# Altium PCB PCB1.PcbDoc
Units mil, origin at the board's own origin, x right, y up, seen from the top; angles counter-clockwise.
Board outline 3527.56 x 3832.47 mil, 2 copper layers (Top Layer, Bottom Layer), stack 66.929 mil thick; 107 components, 48 nets, 407 pads, 226 vias.
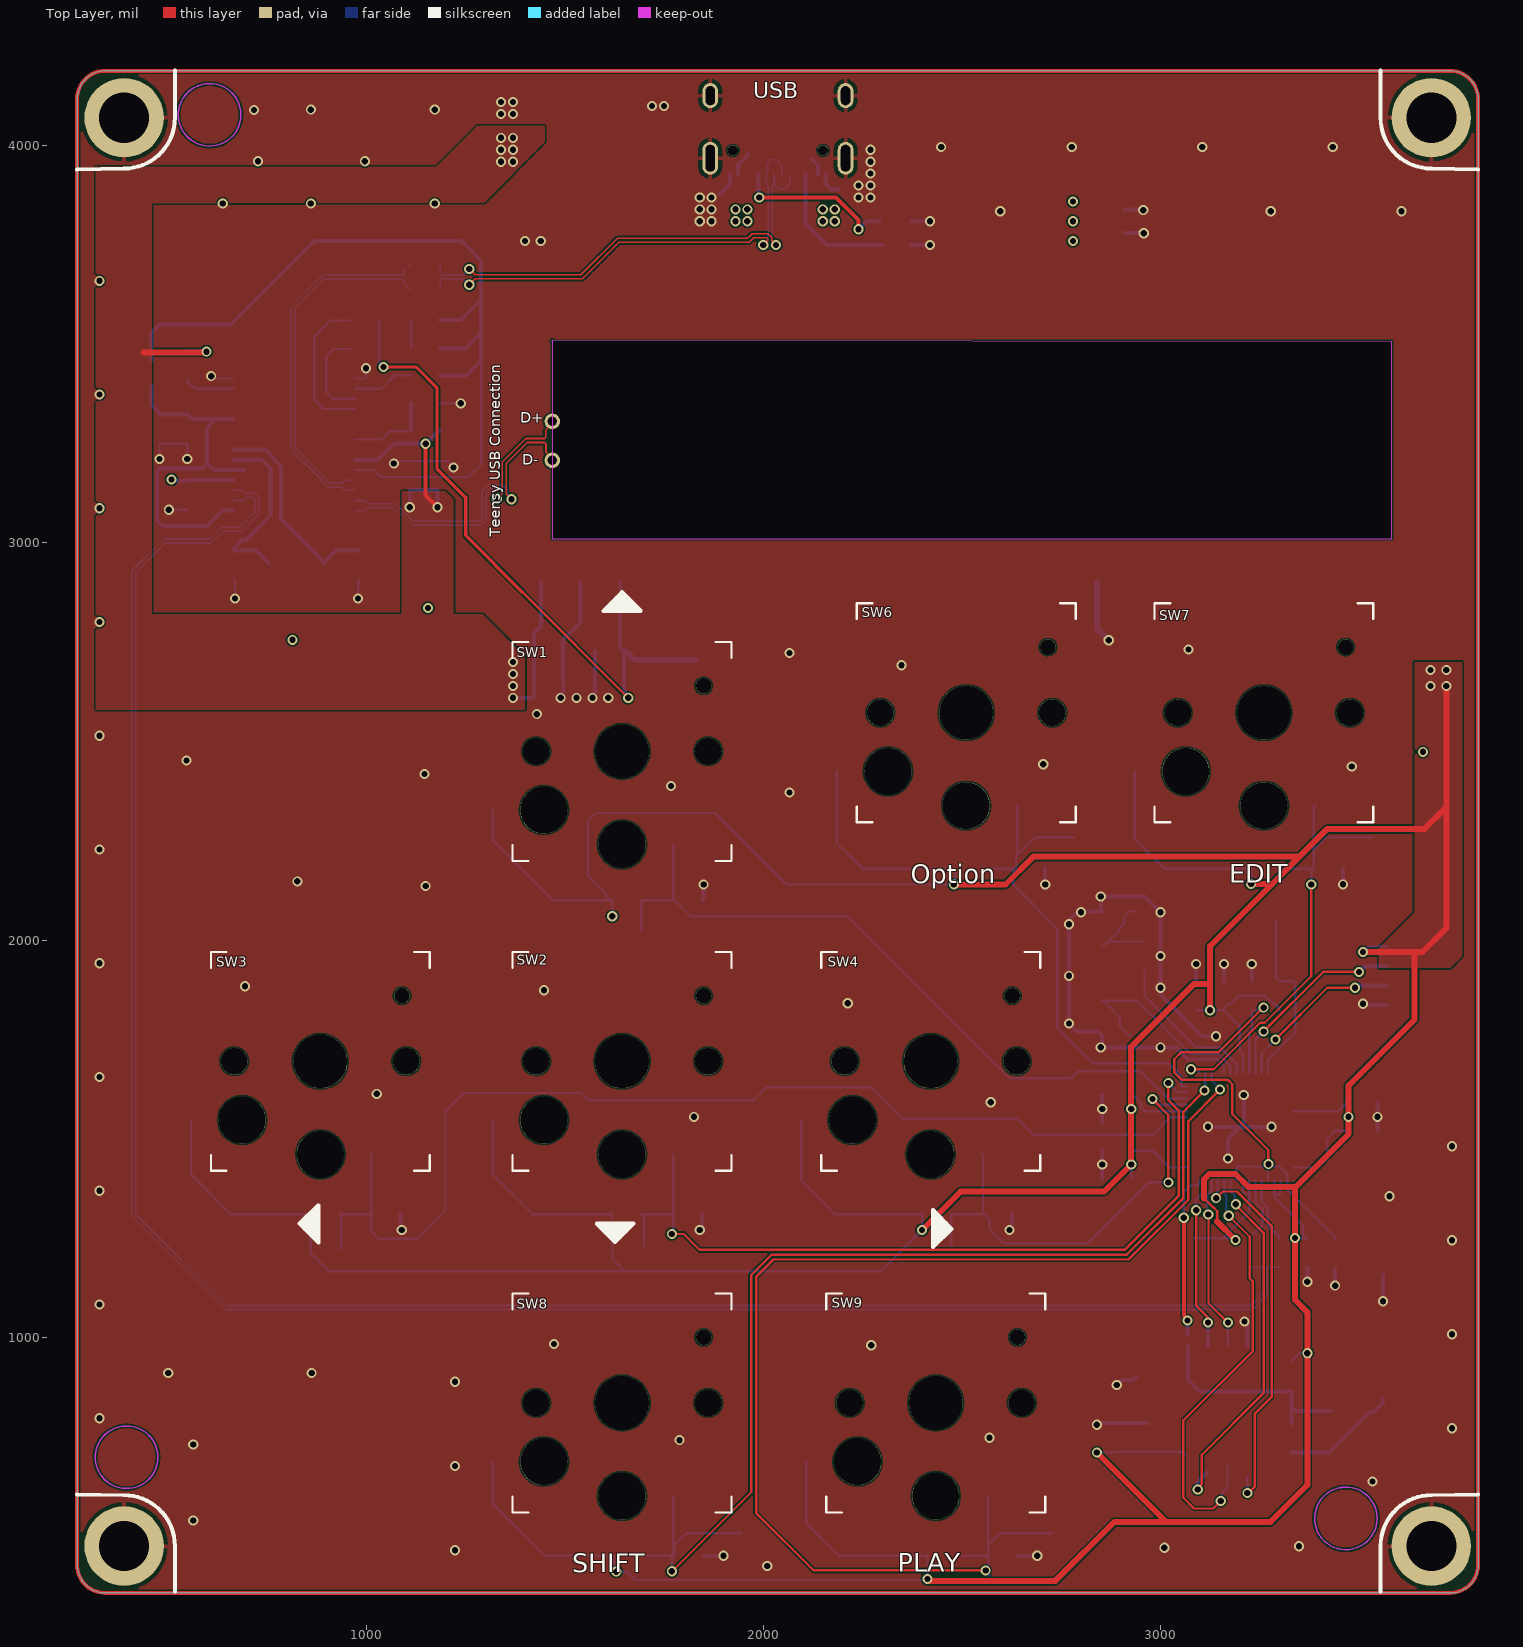
[diagram p0: Top Layer view]
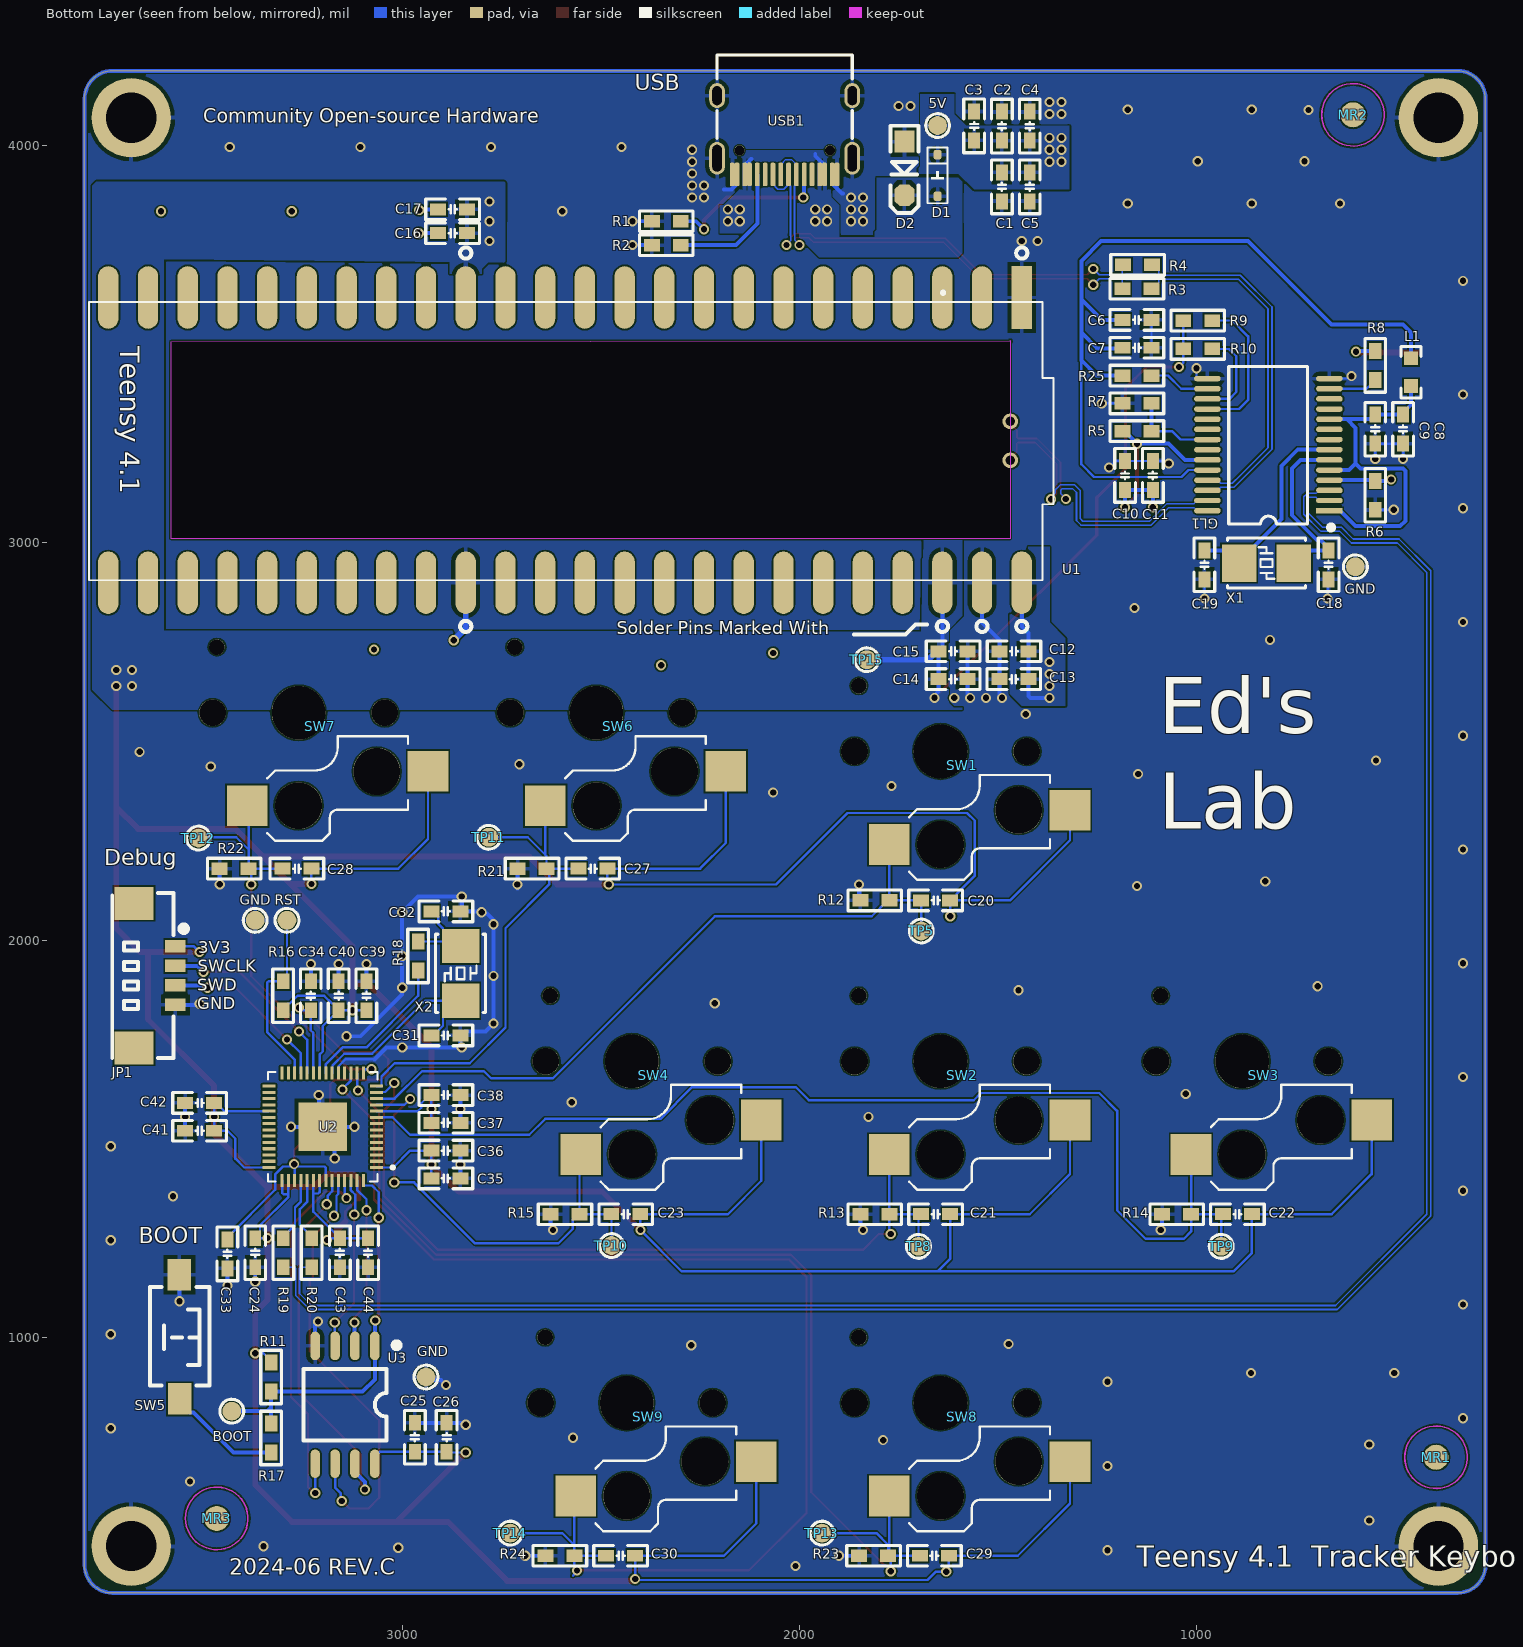
[diagram p1: Bottom Layer view, seen from below]
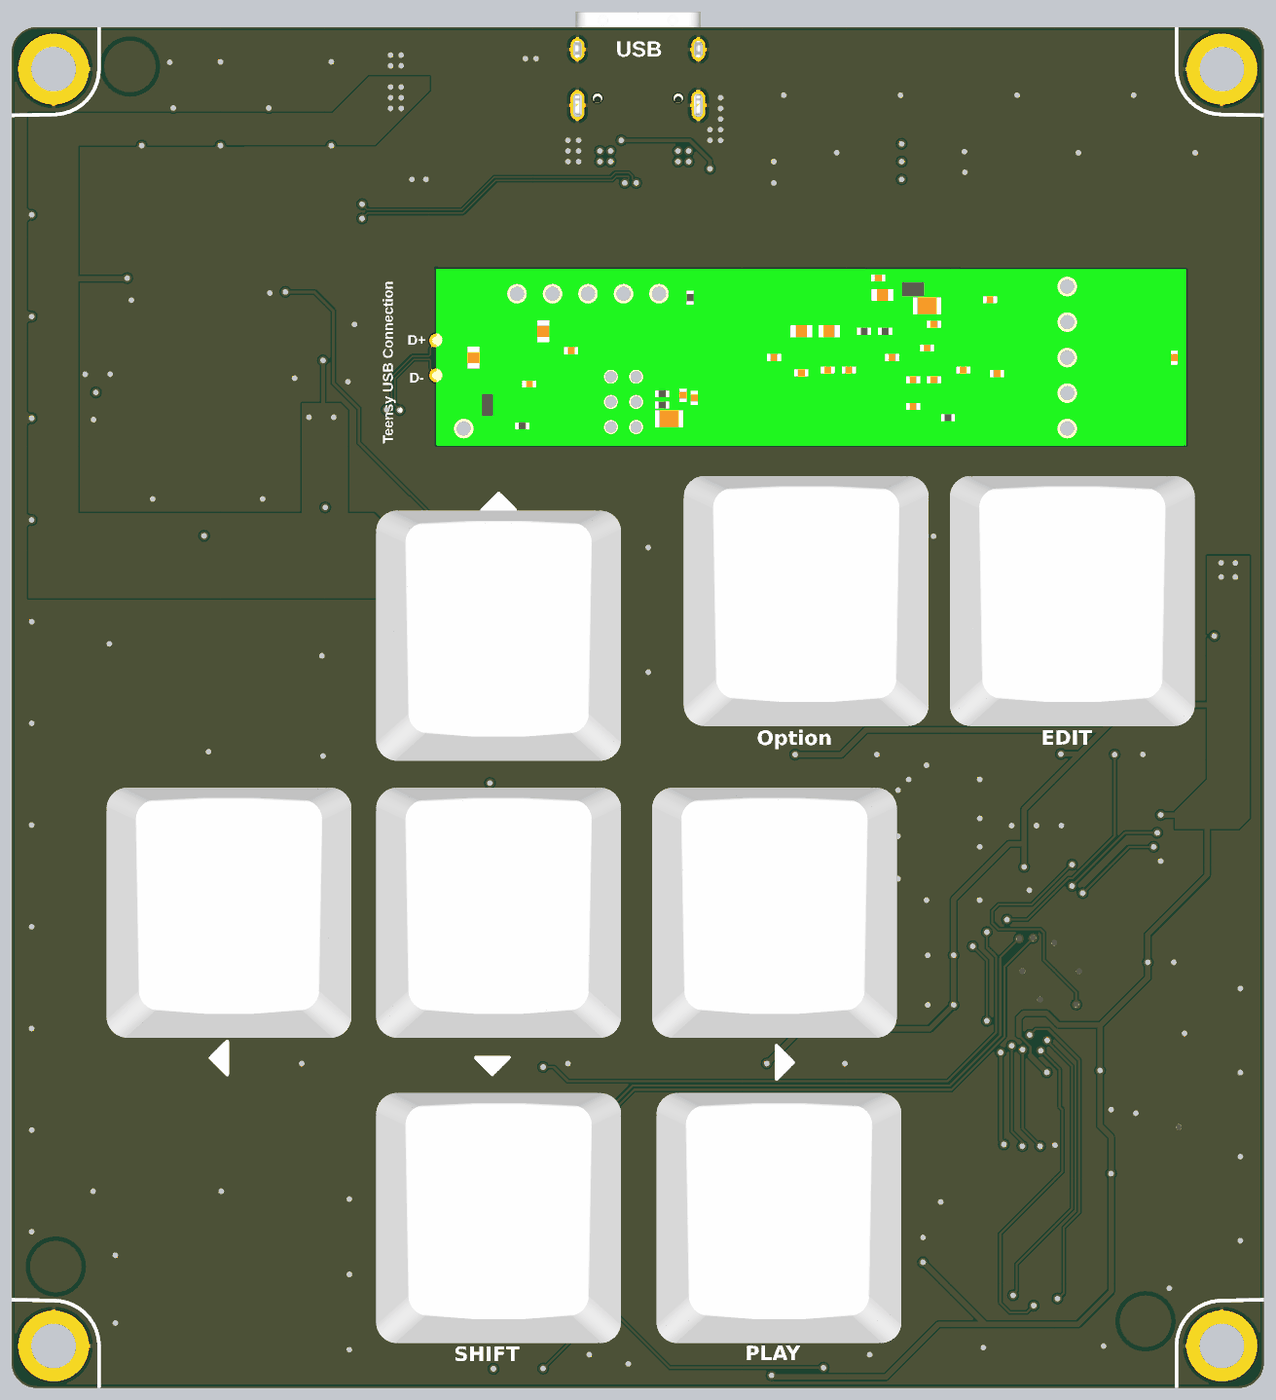
[diagram p2: 3D render of the assembled board from above, using the file's embedded part models]
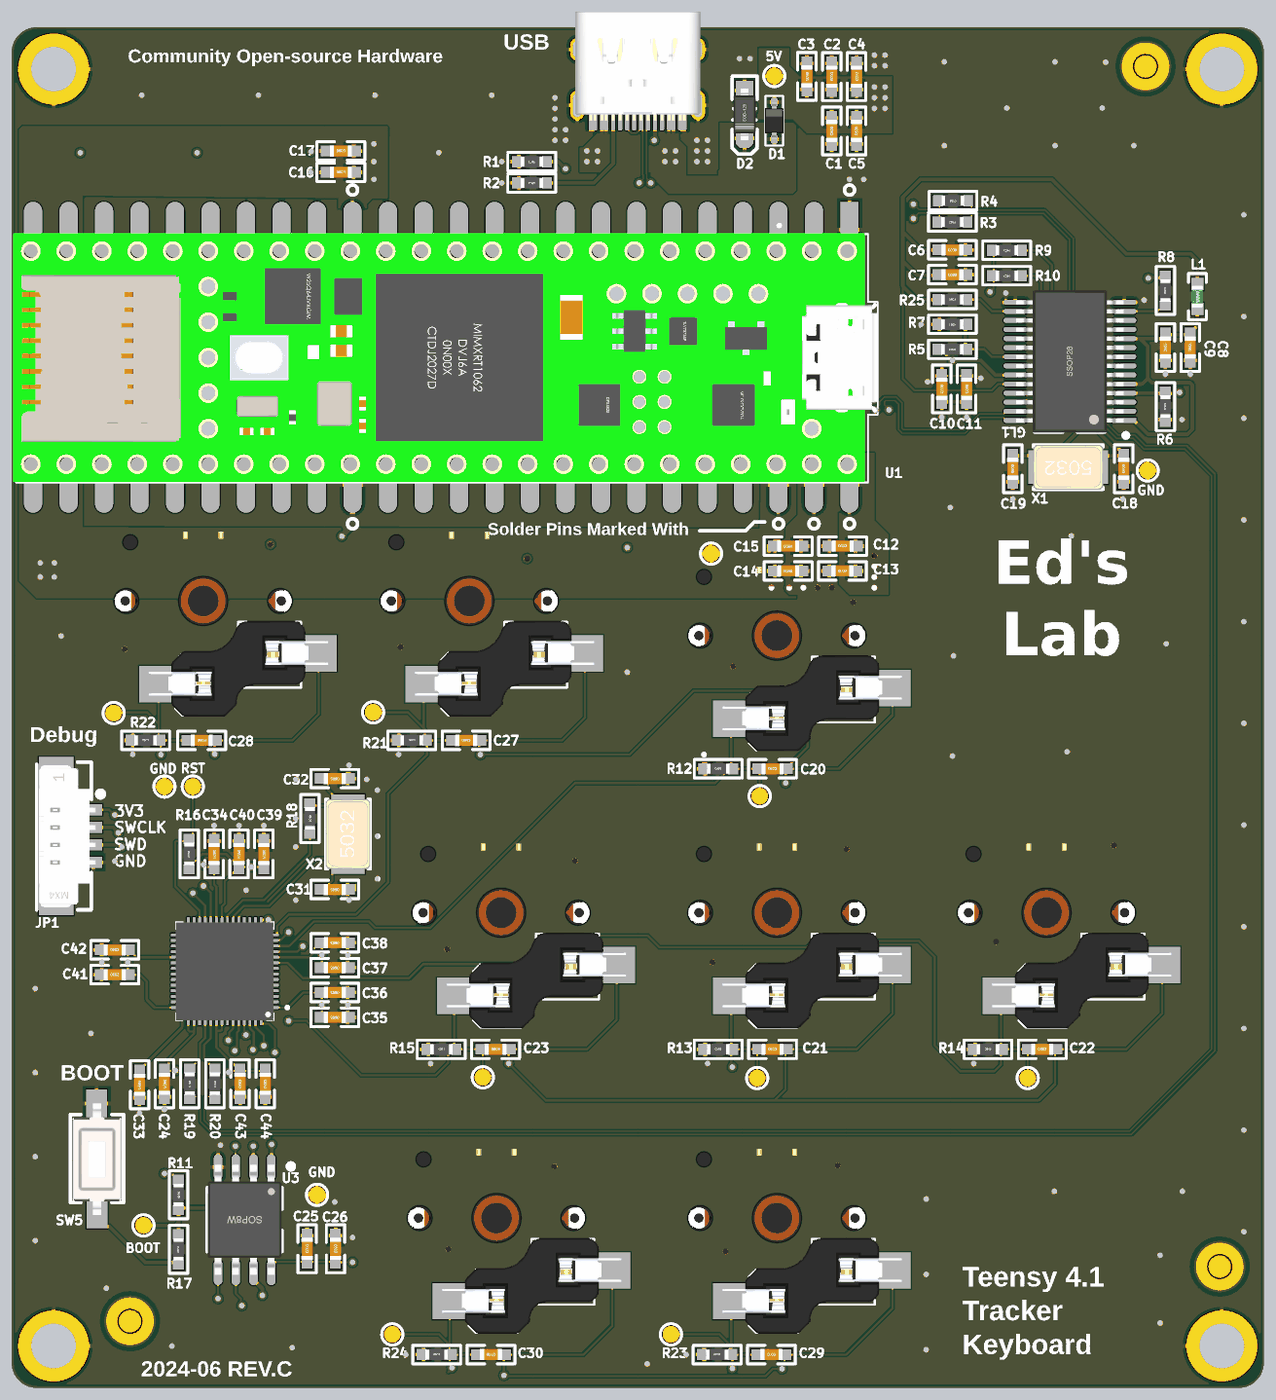
[diagram p3: 3D render of the assembled board from below, using the file's embedded part models]

## Layer stack, top to bottom
Top Solder: solder mask 0.4, Solder Resist, Dk 3.5
Top Layer: signal copper 3.937
Dielectric 1: dielectric 59.0551, FR-4, Dk 4.8
Bottom Layer: signal copper 3.937
Bottom Solder: solder mask 0.4, Solder Resist, Dk 3.5

## Board outline
272.76,427.09 272.76,4117.83 cw(c343.62,4117.83) 343.62,4188.69 3729.45,4188.69 cw(c3729.45,4117.83) 3800.31,4117.83 3800.31,427.09 cw(c3729.45,427.09) 3729.45,356.22 343.62,356.22 cw(c343.62,427.09)
cut-out: 1469,3508.71 1469,3011 3582,3011 3582,3024 3582,3507.01

## Design rules (kind name [scope] priority, off if disabled: settings)
Clearance [All] p1: gap=4 ignorepadtopadclearanceinfootprint=FALSE
Clearance Clearance_Logo [InNetClass('Logo')] p2: gap=8 ignorepadtopadclearanceinfootprint=FALSE
ComponentClearance [All] p1: gap=0 collisioncheckmode=3 verticalgap=0 showdistances=FALSE
DiffPairsRouting [InDifferentialPairClass('All Differential Pairs')] p1: maxlimit=9 minlimit=6 mostfreqgap=6 toplayer_minwidth=4 toplayer_maxwidth=4 toplayer_prefwidth=4 bottomlayer_minwidth=4 bottomlayer_maxwidth=4 bottomlayer_prefwidth=4 maxuncoupledlength=500
FanoutControl Fanout_BGA [All] p1: bgadir=Out bgaviamode=Centered fanoutstyle=Auto fanoutdirection=Alternating viagrid=1 // Fanout_BGA (Default Rule)
HoleSize [All] p1: absolutevalues=TRUE maxlimit=10000 minlimit=8 maxpercent=80.000 minpercent=20.000
MinimumSolderMaskSliver [All] p1 off: minsoldermaskwidth=2
PlaneClearance [All] p1: clearance=8
PlaneConnect [All] p1: planeconnectstyle=Direct reliefexpansion=20 reliefentries=4 reliefconductorwidth=10 reliefairgap=10
PolygonConnect Poly-Vias [IsPoly vs isVia] p1: connectstyle=Direct reliefconductorwidth=10 reliefentries=4 polygonreliefangle="90 Angle" airgapwidth=10
PolygonConnect PolygonConnect_1 [All] p2: connectstyle=Relief reliefconductorwidth=10 reliefentries=4 polygonreliefangle="90 Angle" airgapwidth=10
RoutingVias [All] p1: holewidth=8 width=16 viastyle="Through Hole" minholewidth=6 minwidth=12 maxholewidth=28 maxwidth=50
SilkToSilkClearance [All] p1: silktosilkclearance=0
SilkToSolderMaskClearance [IsPad] p1: minsilkscreentomaskgap=0 clearancetoexposedcopper=TRUE
SolderMaskExpansion [All] p1: expansion=3 istentingtop=FALSE
Width Logo [InNetClass('Logo')] p1: maxlimit=100 minlimit=0.1 preferedwidth=10
Width GND [(InNet('AGND') OR InNet('GND') OR InNet('IN_AGND') or InNet('OUT_AGND'))] p2: maxlimit=50 minlimit=4 preferedwidth=10
Width VCC [(InNet('A3V3') OR InNet('5V') OR InNet('D3V3'))] p3: maxlimit=50 minlimit=4 preferedwidth=6
Width [All] p4: maxlimit=10000 minlimit=4 preferedwidth=6
21 further rules are at their usual default settings.

## Classes and differential pairs
component class Sheet1: 5V ;l BOOT C1 C2 C3 C4 C5 C6 C7 C8 C9 C10 C11 C12 C13 C14 C15 C16 C17 C18 C19 C20 C21 C22 C23 C24 C25 C26 C27 C28 C29 C30 C31 C32 C33 C34 C35 C36 C37 C38 C39 C40 C41 C42 C43 C44 D1 D2 GL1 GND JP1 L1 R1 R2 R3 R4 R5 R6 R7 R8 R9 R10 R11 R12 R13 R14 R15 R16 R17 R18 R19 R20 R21 R22 R23 R24 R25 RST SW1 SW2 SW3 SW4 SW5 SW6 SW7 SW8 SW9 U1 U2 U3 USB1 X1 X2
differential pair USB_IN_D: +USB_IN_D_P -USB_IN_D_N
differential pair USB_D: +USB_D_P -USB_D_N
differential pair TSY_USB_D: +TSY_USB_D_P -TSY_USB_D_N
differential pair RPI_USB_D: +RPI_USB_D_P -RPI_USB_D_N

## Components (designator, comment, footprint, x,y, rotation, side; value= is the part's Value field where it differs from the comment)
5V "5V TP" "TEST 1.2" 1651.88,4051 r0 bottom net-tie (schematic designator TP1)
BOOT "RST_TP" "TEST 1.2" 3429,814 r0 bottom net-tie (schematic designator TP4)
C1 "10uF" C0603_M 1490,3896.5 r90 bottom value=0.1u
C2 "10uF" C0603_M 1490,4049.51 r270 bottom value=0.1u
C3 "10uF" C0603_M 1560,4050 r270 bottom value=0.1u
C4 "100nF" C0603_M 1420,4049.51 r270 bottom value=0.1u
C5 "100nF" C0603_M 1420,3896.5 r90 bottom value=0.1u
C6 "10uF" C0603_M 1150,3561.55 r0 bottom value=0.1u
C7 "100nF" C0603_M 1150,3491.54 r0 bottom value=0.1u
C8 "100nF" C0603_M 480,3286.5 r90 bottom value=0.1u
C9 "100nF" C0603_M 550,3286.5 r90 bottom value=0.1u
C10 "10uF" C0603_M 1180,3170 r270 bottom value=0.1u
C11 "100nF" C0603_M 1110,3170 r270 bottom value=0.1u
C12 "10uF" C0603_M 1459.5,2727.15 r180 bottom value=0.1u
C13 "100nF" C0603_M 1460,2657.14 r180 bottom value=0.1u
C14 "10uF" C0603_M 1613.01,2657.14 r0 bottom value=0.1u
C15 "100nF" C0603_M 1613.01,2727.15 r0 bottom value=0.1u
C16 "10uF" C0603_M 2873,3779.99 r180 bottom value=0.1u
C17 "100nF" C0603_M 2873,3840 r180 bottom value=0.1u
C18 "33p" C0603_M 667.57,2944.96 r90 bottom value=0.1u
C19 "33p" C0603_M 980,2944.96 r90 bottom value=0.1u
C20 "100nF" C0603_M 1656.99,2100 r180 bottom value=0.1u
C21 "100nF" C0603_M 1656.99,1310 r180 bottom value=0.1u
C22 "100nF" C0603_M 896.99,1310 r180 bottom value=0.1u
C23 "100nF" C0603_M 2436.99,1310 r180 bottom value=0.1u
C24 "1uF" C0603_M 3370,1212.82 r270 bottom value=0.1u
C25 "10uF" C0603_M 2968.05,748.21 r270 bottom value=0.1u
C26 "100nF" C0603_M 2888.05,748.21 r270 bottom value=0.1u
C27 "100nF" C0603_M 2520,2180 r180 bottom value=0.1u
C28 "100nF" C0603_M 3265,2180 r180 bottom value=0.1u
C29 "100nF" C0603_M 1660,450 r180 bottom value=0.1u
C30 "100nF" C0603_M 2450,450 r180 bottom value=0.1u
C31 "15p" C0603_M 2890,1760 r0 bottom value=0.1u
C32 "15p" C0603_M 2890,2072.43 r0 bottom value=0.1u
C33 "100nF" C0603_M 3440,1210 r90 bottom value=0.1u
C34 "100nF" C0603_M 3230.02,1860 r270 bottom value=0.1u
C35 "10uF" C0603_M 2890,1400 r0 bottom value=0.1u
C36 "100nF" C0603_M 2890,1470.01 r0 bottom value=0.1u
C37 "10uF" C0603_M 2890,1540.02 r0 bottom value=0.1u
C38 "100nF" C0603_M 2890,1610.03 r0 bottom value=0.1u
C39 "10uF" C0603_M 3090,1860 r270 bottom value=0.1u
C40 "100nF" C0603_M 3160.01,1860 r270 bottom value=0.1u
C41 "10uF" C0603_M 3510,1519.99 r180 bottom value=0.1u
C42 "100nF" C0603_M 3510,1590 r180 bottom value=0.1u
C43 "10uF" C0603_M 3156.98,1212.82 r90 bottom value=0.1u
C44 "100nF" C0603_M 3085.98,1212.82 r90 bottom value=0.1u
D1 "1N5819" SOD-323 1652,3925.34 r90 bottom
D2 "ESD ZESD5V0D1 SOD-123" SOD-123 1735.51,3943 r270 bottom
GL1 "GL850G" SSOP28 818.97,3247.63 r0 bottom
GND "TEST TP" "TEST 1.2" 2940,900 r270 bottom net-tie (schematic designator TP6)
GND "TEST TP" "TEST 1.2" 600,2940 r270 bottom net-tie (schematic designator TP7)
GND "GND_TP" "TEST 1.2" 3370,2050 r90 bottom net-tie (schematic designator TP3)
JP1 "CON-4P" MX1.25-LS-4P 3660,1910 r270 bottom net-tie
L1 "BEADS" L0603 460,3430 r270 bottom
MR1 "MARK1.6" "Mark 1.6" 397,698 r0 bottom
MR2 "MARK1.6" "Mark 1.6" 606,4078 r0 bottom
MR3 "MARK1.6" "Mark 1.6" 3467,544 r0 bottom
R1 "5.1K" R0603_M 2335,3810 r0 bottom value=22R
R2 "5.1K" R0603_M 2335,3749.99 r0 bottom value=22R
R3 "22R" R0603_M 1150,3640 r0 bottom
R4 "22R" R0603_M 1148.49,3700.01 r0 bottom
R5 "5.1K" R0603_M 1150,3281.51 r0 bottom value=22R
R6 "680" R0603_M 550,3120 r90 bottom value=22R
R7 "10K" R0603_M 1150,3351.52 r0 bottom value=22R
R8 "10K" R0603_M 550,3446.99 r90 bottom value=22R
R9 "100K" R0603_M 996.99,3560 r0 bottom value=22R
R10 "10K" R0603_M 996.99,3488.49 r0 bottom value=22R
R11 "10K" R0603_M 3330.19,900 r270 bottom value=22R
R12 "10K" R0603_M 1810,2100 r180 bottom value=22R
R13 "10K" R0603_M 1810,1310 r180 bottom value=22R
R14 "10K" R0603_M 1050,1310 r180 bottom value=22R
R15 "10K" R0603_M 2590,1310 r180 bottom value=22R
R16 "5.1K" R0603_M 3300.03,1860 r90 bottom value=22R
R17 "1K" R0603_M 3330.19,746.5 r90 bottom value=22R
R18 "1K" R0603_M 2960,1960 r270 bottom value=22R
R19 "27.4" R0603_M 3298.99,1212.82 r270 bottom value=22R
R20 "27.4" R0603_M 3227.99,1212.82 r270 bottom value=22R
R21 "10K" R0603_M 2673.01,2180 r180 bottom value=22R
R22 "10K" R0603_M 3423.01,2180 r180 bottom value=22R
R23 "10K" R0603_M 1813.01,450 r180 bottom value=22R
R24 "10K" R0603_M 2603.01,450 r180 bottom value=22R
R25 "22R" R0603_M 1150,3421.53 r180 bottom
RST "RST_TP" "TEST 1.2" 3290,2050 r90 bottom net-tie (schematic designator TP2)
SW1 "Kailh 5118-Choc-Socket" Kailh_socket_PG1350 1644.49,2475 r0 top locked
SW2 "Kailh 5118-Choc-Socket" Kailh_socket_PG1350 1644.49,1694.65 r0 top locked
SW3 "Kailh 5118-Choc-Socket" Kailh_socket_PG1350 885,1694.65 r0 top locked
SW4 "Kailh 5118-Choc-Socket" Kailh_socket_PG1350 2421.54,1694.65 r0 top locked
SW5 "3x8 Switch 2P" "TSW SMD-3*6*2.5" 3560,1000 r270 bottom net-tie
SW6 "Kailh 5118-Choc-Socket" Kailh_socket_PG1350 2511.06,2572.64 r0 top locked
SW7 "Kailh 5118-Choc-Socket" Kailh_socket_PG1350 3260.79,2572.64 r0 top locked
SW8 "Kailh 5118-Choc-Socket" Kailh_socket_PG1350 1644.49,834.65 r0 top locked
SW9 "Kailh 5118-Choc-Socket" Kailh_socket_PG1350 2434.49,834.65 r0 top locked
TP5 "TP" "TEST 1.2" 1693,2023 r270 bottom net-tie
TP8 "TP" "TEST 1.2" 1700,1229 r270 bottom net-tie
TP9 "TP" "TEST 1.2" 938,1229 r270 bottom net-tie
TP10 "TP" "TEST 1.2" 2473,1231 r270 bottom net-tie
TP11 "TP" "TEST 1.2" 2782,2259 r270 bottom net-tie
TP12 "TP" "TEST 1.2" 3513,2257 r270 bottom net-tie
TP13 "TP" "TEST 1.2" 1943,507 r270 bottom net-tie
TP14 "TP" "TEST 1.2" 2728,507 r270 bottom net-tie
TP15 "TP" "TEST 1.2" 1830,2706 r270 bottom net-tie
U1 "Teensy 4_1" TEENSY4_1_SMT_SOP48 1440,3618 r270 bottom locked
U2 "RP2040" QFN40P700X700X90-57N 3200,1530 r0 bottom
U3 "W25Q16JVSIQ" SOIC-8W 3143.99,830 r270 bottom
USB1 "Type-C" Type-C-TOP 2037,4027 r90 bottom locked
X1 "12MHz" XTAL-5032-2P 823.79,2949.47 r0 bottom
X2 "12MHz" XTAL-5032-2P 2852.99,1916.21 r90 bottom

## Footprints (in the part's own frame and the unit in brackets; to place one, negate y for a bottom-side part, rotate by r counter-clockwise, add the part's x,y. Pads: shape width x height; smd on the part's side, far side on the other; paste and mask are expansions set on the pad)
C0603_M [mil] "ÎÞ¼«ÐÔÌùÆ¬µçÈÝ"
  rect 40x30 smd: 1(-36.5,0) 2(36.5,0)
  silkscreen extent -68,-26 68,26, body extent -31,-16 32,16, height 33
Kailh_socket_PG1350 [mil]
  rect 102.36x102.36 smd far side paste+0 mask+2: 1(128.94,-234.25) 2(-325.79,-147.64)
  round 67 hole 67 unplated paste+0: ""(-216.54,0) ""(216.54,0)
  round 118.1 hole 118.1 unplated paste+0: ""(-196.85,-147.64) ""(0,-234.25)
  round 135 hole 135 unplated paste+0: ""(0,0)
  round 39 hole 39 unplated paste+0: ""(205.51,165.35)
  silkscreen extent -276,-276 276,276, body extent -353,-352 345,352, height 411
L0603 [mil] "Ð¡¹¦ÂÊÌùÆ¬µç¸Ð"
  rect 35x35 smd: 1(-35,0) 2(35,0)
  silkscreen extent -65,-25 65,25, body extent -31,-16 32,16, height 31
"Mark 1.6" [mm] "¹âÑ§¶¨Î»µã£¬Ö±¾¶1.6mm"
  round 1.6 smd paste-1.6 mask+0.9: Mark(0,0)
  Keep-Out Layer circle w0.1: c0,0 r2
MX1.25-LS-4P [mm] "³¤£º9.75m£¬¿í£º3.7mm£¬¸ß£º4.7mm ÌÔ±¦ID:»Æ¾§±¦Ê¯"
  rect 2.1x2.5 smd: 0(-4.632,-0.381) 0(4.604,-0.381)
  rect 0.8x1.3 smd: 1(-1.889,2.261) 2(-0.639,2.261) 3(0.611,2.261) 4(1.861,2.261)
  silkscreen extent -5.29,-1.78 5.27,2.99, body extent -5.08,-1.6 5.07,2.5, height 4.7
QFN40P700X700X90-57N [mm]
  rrect25% 0.84x0.2 smd: 1(-3.435,2.6) 2(-3.435,2.2) 3(-3.435,1.8) 4(-3.435,1.4) 5(-3.435,1) 6(-3.435,0.6) 7(-3.435,0.2) 8(-3.435,-0.2) 9(-3.435,-0.6) 10(-3.435,-1) 11(-3.435,-1.4) 12(-3.435,-1.8) 13(-3.435,-2.2) 14(-3.435,-2.6) 29(3.435,-2.6) 30(3.435,-2.2) 31(3.435,-1.8) 32(3.435,-1.4) 33(3.435,-1) 34(3.435,-0.6) 35(3.435,-0.2) 36(3.435,0.2) 37(3.435,0.6) 38(3.435,1) 39(3.435,1.4) 40(3.435,1.8) 41(3.435,2.2) 42(3.435,2.6)
  rrect25% 0.2x0.84 smd: 15(-2.6,-3.435) 16(-2.2,-3.435) 17(-1.8,-3.435) 18(-1.4,-3.435) 19(-1,-3.435) 20(-0.6,-3.435) 21(-0.2,-3.435) 22(0.2,-3.435) 23(0.6,-3.435) 24(1,-3.435) 25(1.4,-3.435) 26(1.8,-3.435) 27(2.2,-3.435) 28(2.6,-3.435) 43(2.6,3.435) 44(2.2,3.435) 45(1.8,3.435) 46(1.4,3.435) 47(1,3.435) 48(0.6,3.435) 49(0.2,3.435) 50(-0.2,3.435) 51(-0.6,3.435) 52(-1,3.435) 53(-1.4,3.435) 54(-1.8,3.435) 55(-2.2,3.435) 56(-2.6,3.435)
  rect 3.1x3.1 smd paste-0.57: 57(0,0)
  silkscreen extent -4.57,-3.5 3.5,3.5, body extent -3.5,-3.5 3.5,3.5, height 0.9
R0603_M [mil] "1/10WÌùÆ¬µç×è"
  rect 40x31.5 smd: 1(-36.5,0) 2(36.5,0)
  silkscreen extent -68,-26 68,26, body extent -31,-16 31,16, height 16
SOD-123 [mil] "2.7x1.6X1.1mm£¨³¤¿í¸ß£¬²»°üÀ¨Òý½Å£© ÌÔ±¦ID:»Æ¾§±¦Ê¯"
  rect 55x50 smd: 1(-67.5,0)
  oct 55x50 smd: 2(67.5,0)
  silkscreen extent -108,-35 112,35, body extent -73,-31 73,31, height 50
SOD-323 [mm]
  rrect50% 0.6x0.5 smd: 1(-1.329,0) 2(1.329,0)
  silkscreen extent -1.78,-0.64 1.78,0.64, body extent -1.3,-0.68 1.3,0.67, height 1.15
SOIC-8W [mil] "25Q128 SPI_FLASH  SOIC8£¬·â×°¿âÀ´×ÔÌÔ±¦Âô¼Ò ID£º»Æ¾§±¦Ê¯"
  oval 72x24 smd: 1(-148.35,75) 2(-148.35,25) 3(-148.35,-25) 4(-148.35,-75) 5(148.35,-75) 6(148.35,-25) 7(148.35,25) 8(148.35,75)
  silkscreen extent -155,-105 90,135, body extent -155,-104 155,104, height 75
SSOP28 [mm] "10.2*7.8*1.9mm"
  rect 1.7x0.35 smd: 1(-3.9,4.225)
  oval 1.7x0.35 smd: 2(-3.9,3.575) 3(-3.9,2.925) 4(-3.9,2.275) 5(-3.9,1.625) 6(-3.9,0.975) 7(-3.9,0.325) 8(-3.9,-0.325) 9(-3.9,-0.975) 10(-3.9,-1.625) 11(-3.9,-2.275) 12(-3.9,-2.925) 13(-3.9,-3.575) 14(-3.9,-4.225) 15(3.9,-4.225) 16(3.9,-3.575) 17(3.9,-2.925) 18(3.9,-2.275) 19(3.9,-1.625) 20(3.9,-0.975) 21(3.9,-0.325) 22(3.9,0.325) 23(3.9,0.975) 24(3.9,1.625) 25(3.9,2.275) 26(3.9,2.925) 27(3.9,3.575) 28(3.9,4.225)
  silkscreen extent -4.13,-5 2.54,5.43, body extent -3.85,-5.1 3.85,5.1, height 1.65
TEENSY4_1_SMT_SOP48 [mm]
  rect 4x1.3 smd: 1(0,0)
  oval 4x1.3 smd: 2(0,-2.54) 3(0,-5.08) 4(0,-7.62) 5(0,-10.16) 6(0,-12.7) 7(0,-15.24) 8(0,-17.78) 9(0,-20.32) 10(0,-22.86) 11(0,-25.4) 12(0,-27.94) 13(0,-30.48) 14(0,-33.02) 15(0,-35.56) 16(0,-38.1) 17(0,-40.64) 18(0,-43.18) 19(0,-45.72) 20(0,-48.26) 21(0,-50.8) 22(0,-53.34) 23(0,-55.88) 24(0,-58.42) 25(18.24,-58.42) 26(18.24,-55.88) 27(18.24,-53.34) 28(18.24,-50.8) 29(18.24,-48.26) 30(18.24,-45.72) 31(18.24,-43.18) 32(18.24,-40.64) 33(18.24,-38.1) 34(18.24,-35.56) 35(18.24,-33.02) 36(18.24,-30.48) 37(18.24,-27.94) 38(18.24,-25.4) 39(18.24,-22.86) 40(18.24,-20.32) 41(18.24,-17.78) 42(18.24,-15.24) 43(18.24,-12.7) 44(18.24,-10.16) 45(18.24,-7.62) 46(18.24,-5.08) 47(18.24,-2.54) 48(18.24,0)
  silkscreen extent -0.41,-59.64 18.08,2.02, body extent 0.25,-59.85 18.03,2.03, height 4.27
"TEST 1.2" [mm] "²âÊÔµã1.2mm"